# Altium PCB AS5047.PcbDoc
Units mm, origin at the board's own origin, x right, y up, seen from the top; angles counter-clockwise.
Board outline 28 x 28 mm, 2 copper layers (Top Layer, Bottom Layer); 6 components, 10 nets, 35 pads, 14 vias.
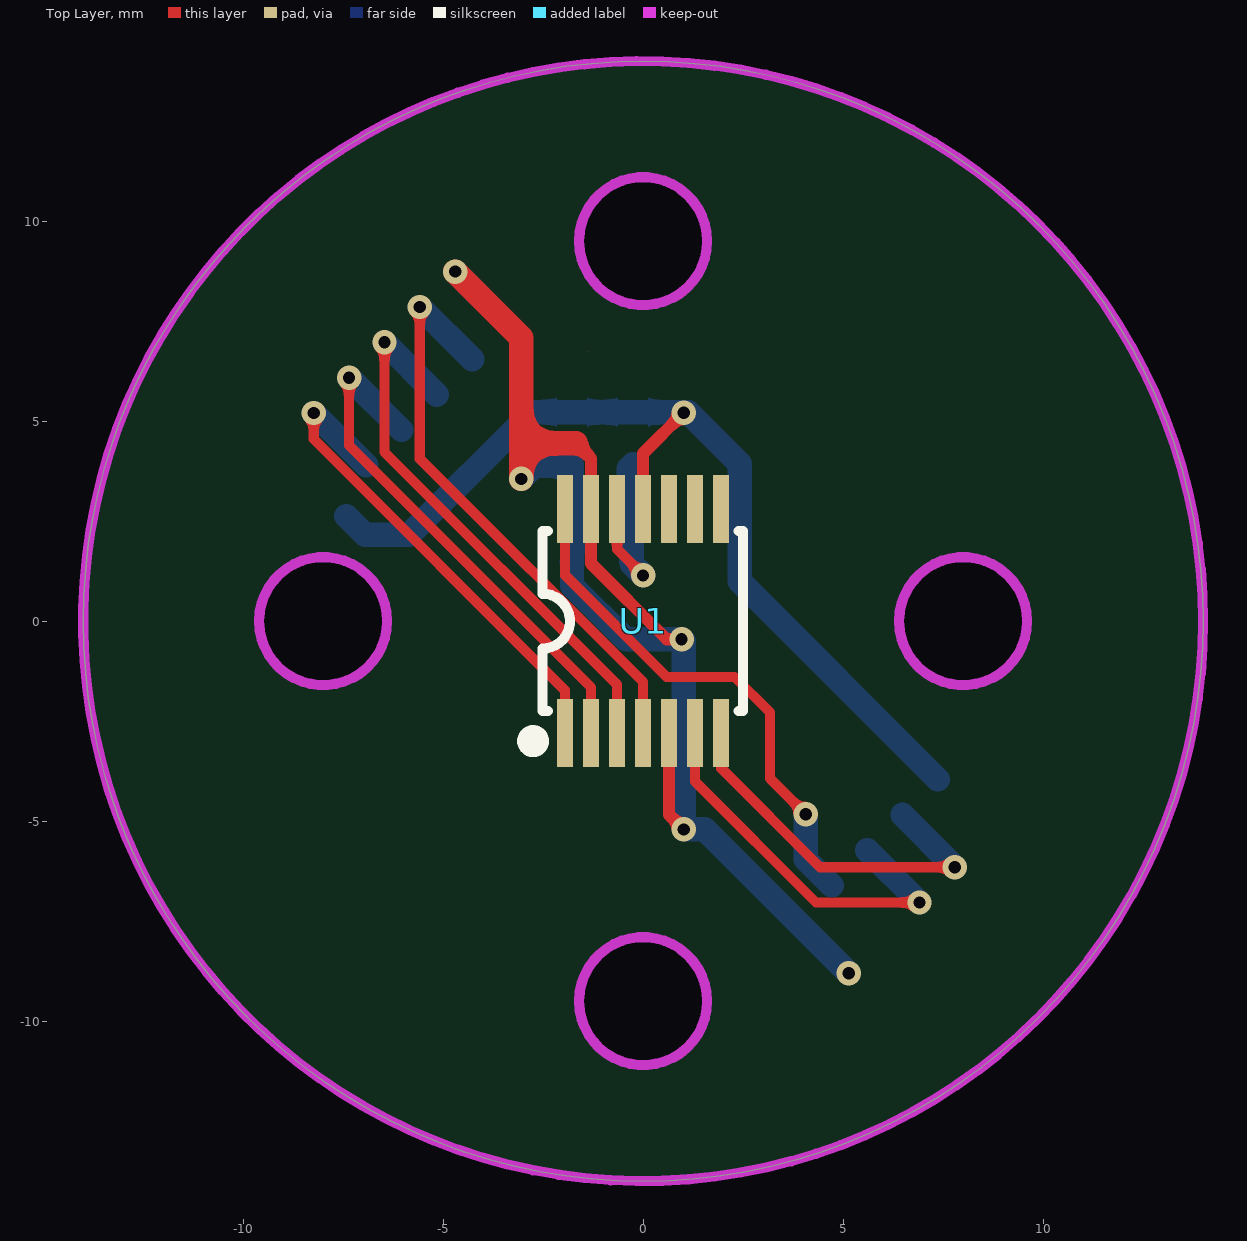
[diagram p0: Top Layer view]
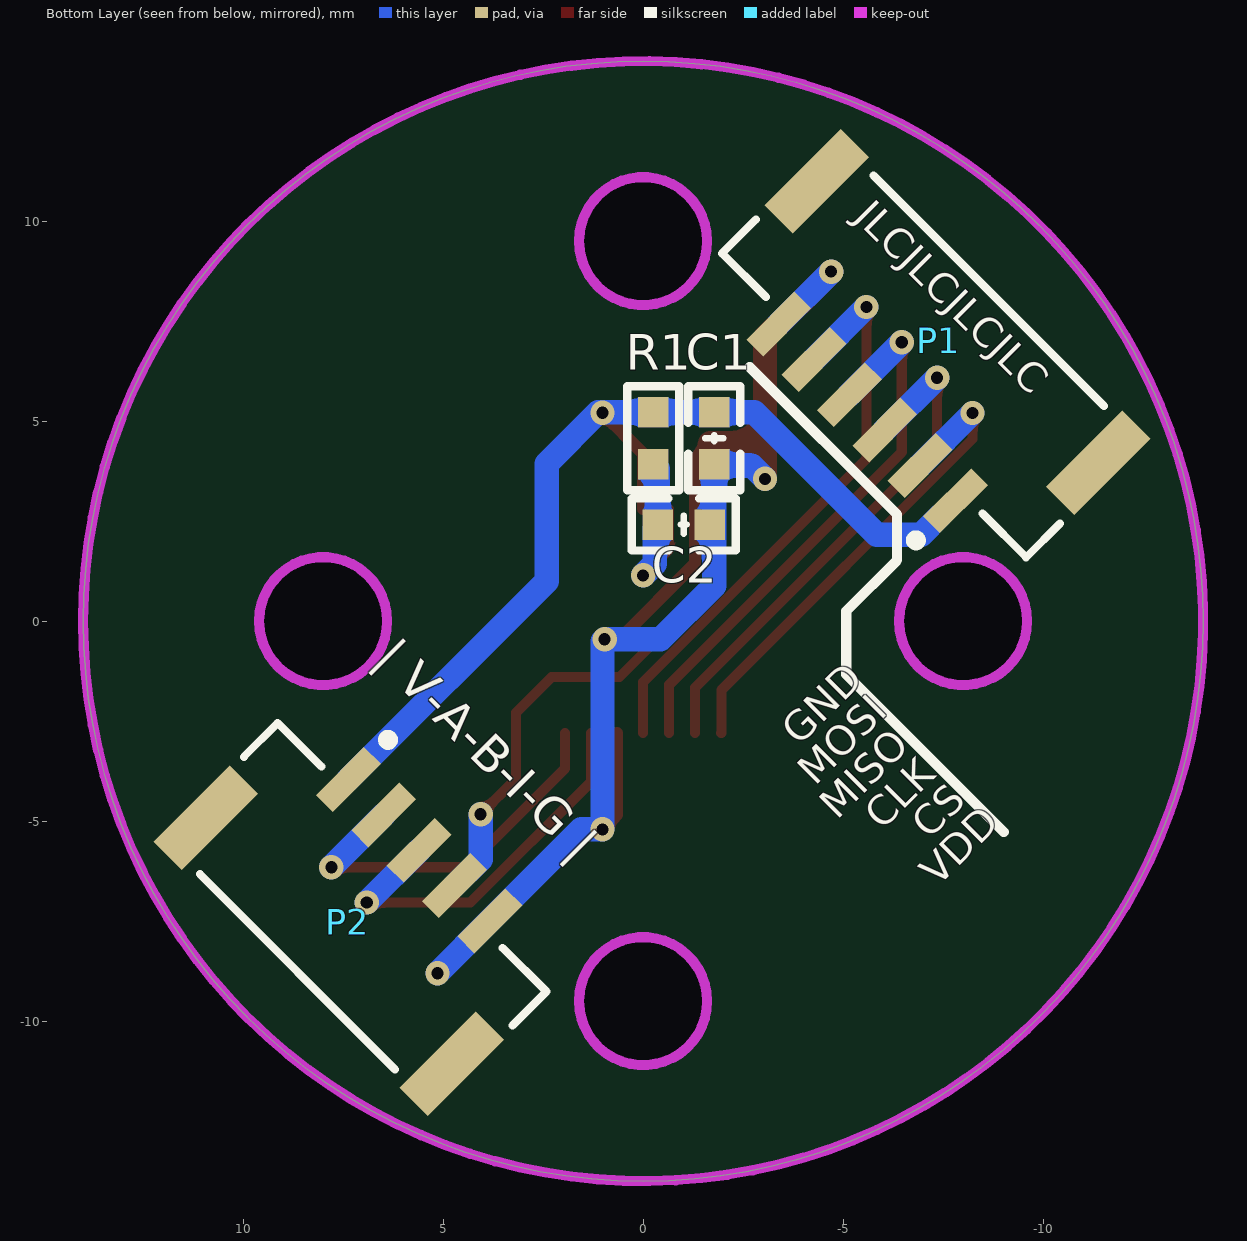
[diagram p1: Bottom Layer view, seen from below]
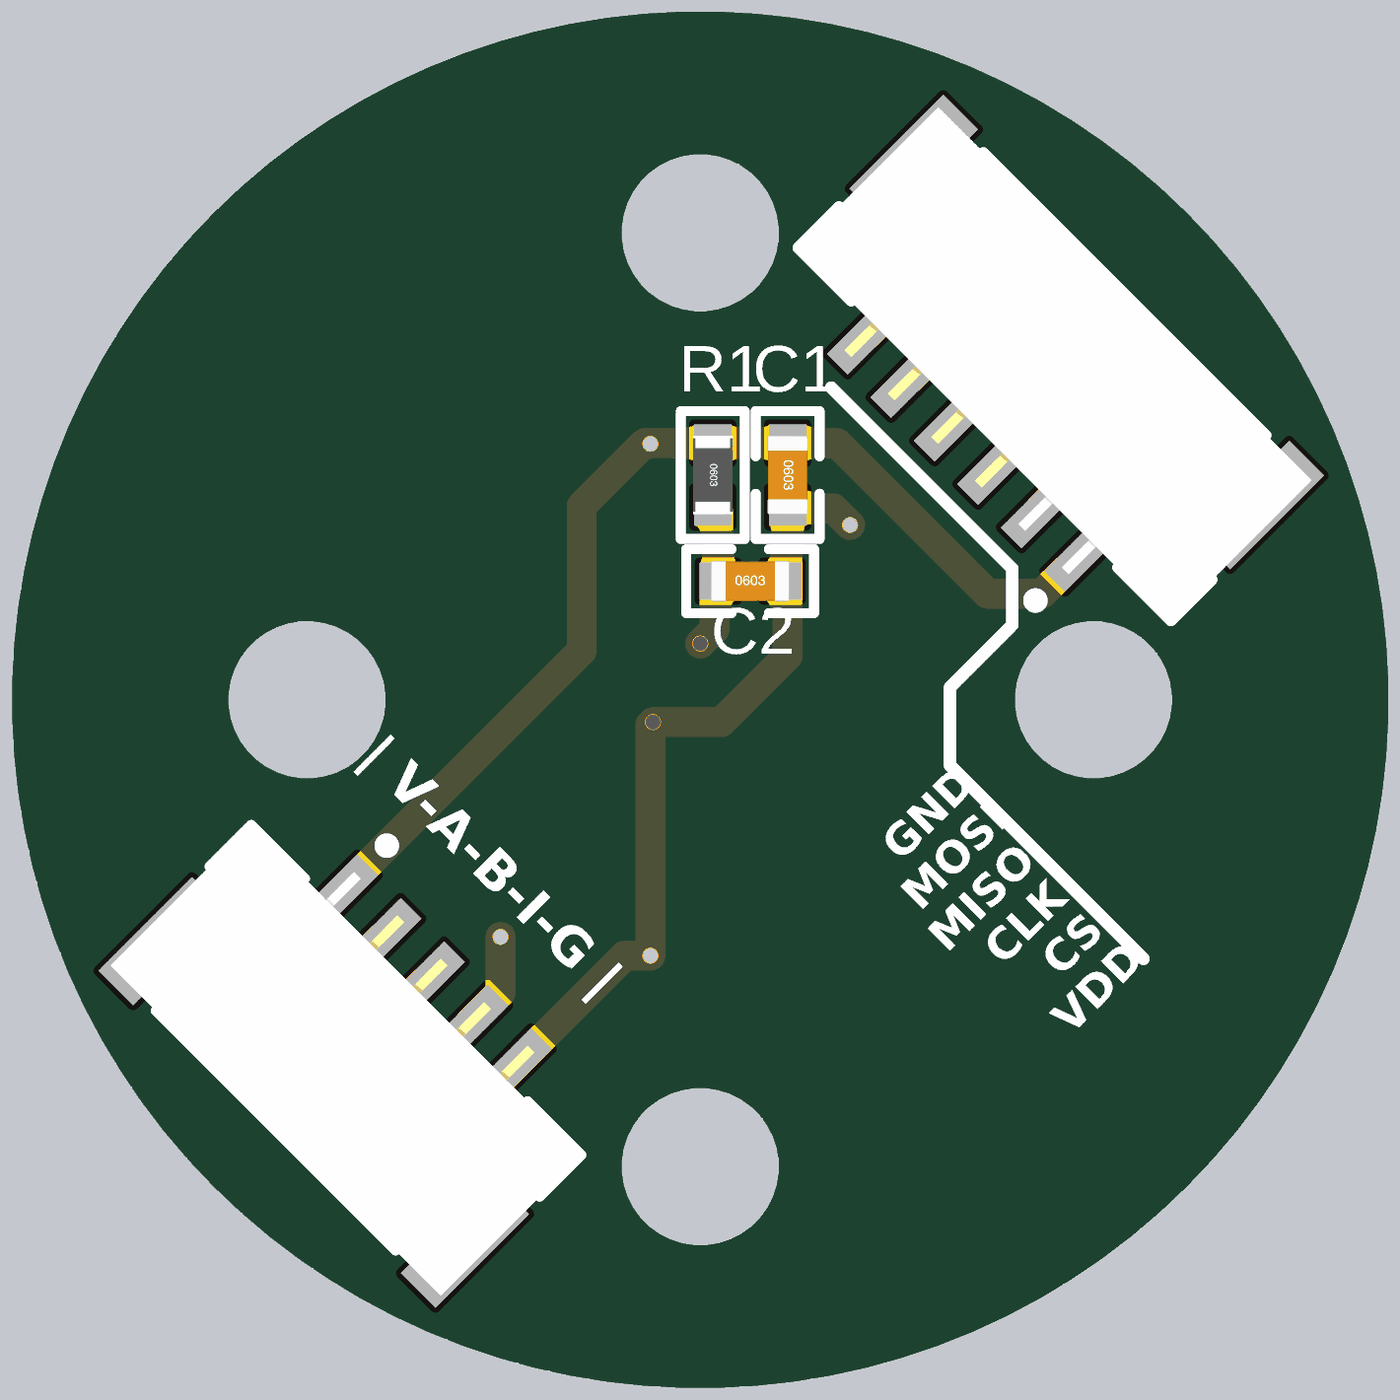
[diagram p2: 3D render of the assembled board from below, using the file's embedded part models]

## Layer stack, top to bottom
Top Solder: solder mask 0.0102, Solder Resist, Dk 3.5
Top Layer: signal copper 0.0356
Dielectric 1: dielectric 0.32, FR-4, Dk 4.8
Bottom Layer: signal copper 0.0356
Bottom Solder: solder mask 0.0102, Solder Resist, Dk 3.5

## Board outline
-14,0 ccw(c0,0) 0,-14 ccw(c0,0) 14,0 ccw(c0,0) 0,14 ccw(c0,0)
cut-out: -1.6,9.5 ccw(c0,9.5) 0,7.9 ccw(c0,9.5) 1.6,9.5 ccw(c0,9.5) 0,11.1 ccw(c0,9.5)
cut-out: 6.4,0 ccw(c8,0) 8,-1.6 ccw(c8,0) 9.6,0 ccw(c8,0) 8,1.6 ccw(c8,0)
cut-out: -1.6,-9.5 ccw(c0,-9.5) 0,-11.1 ccw(c0,-9.5) 1.6,-9.5 ccw(c0,-9.5) 0,-7.9 ccw(c0,-9.5)
cut-out: -9.6,0 ccw(c-8,0) -8,-1.6 ccw(c-8,0) -6.4,0 ccw(c-8,0) -8,1.6 ccw(c-8,0)
cut-out: -1.397,6.731

## Design rules (kind name [scope] priority, off if disabled: settings)
Clearance [All] p1: gap=0.254 ignorepadtopadclearanceinfootprint=TRUE except(0: Arc-Hole Track-Hole SMDPad-Hole THPad-Hole Via-Hole Fill-Hole Poly-Hole Region-Hole Text-Hole)
PolygonConnect [All] p1: connectstyle=Relief reliefconductorwidth=0.254 reliefentries=4 polygonreliefangle="90 Angle" airgapwidth=0.254
RoutingVias [All] p1: holewidth=0.711 width=1.27 viastyle="Through Hole" minholewidth=0.711 minwidth=1.27 maxholewidth=0.711 maxwidth=1.27
SolderMaskExpansion [All] p1: expansion=0.102 istentingtop=FALSE
Width [All] p1: maxlimit=2.54 minlimit=0.254 preferedwidth=0.254
30 further rules are at their usual default settings.

## Components (designator, comment, footprint, x,y, rotation, side; value= is the part's Value field where it differs from the comment)
C1 "0.1uF" "C 0603_L" -1.778,4.572 r270 bottom locked
C2 "1uF" "C 0603_L" -1.016,2.413 r180 bottom locked
P1 "SM06B-GHS-TB(LF)(SN)" JST-SM06B-GHS-TB_V -6.731,6.35 r45 bottom locked
P2 "SM05B-GHS-TB(LF)(SN)" JST-SM05B-GHS-TB_V 6.731,-6.858 r225 bottom locked
R1 "0R" "R 0603_L" -0.254,4.572 r270 bottom locked
U1 "AS5047U-HTST" TSSOP-14_L5.0-W4.4-P0.65-LS6.4-BL 0,0 r0 top locked

## Footprints (in the part's own frame and the unit in brackets; to place one, negate y for a bottom-side part, rotate by r counter-clockwise, add the part's x,y. Pads: shape width x height; smd on the part's side, far side on the other; paste and mask are expansions set on the pad)
"C 0603_L" [mil] "无极性贴片电容                                       淘宝ID:黄晶宝石"
  rect 30x30 smd: 1(-25.59,0) 2(25.59,0)
  silkscreen extent -51,-26 51,26, body extent -31,-16 31,16, height 32
JST-SM05B-GHS-TB_V [mm] "SMD, 5-Leads, Body 9.50x4.05mm, Pitch 1.25mm"
  rect 0.6x1.7 smd: 1(-2.5,1.6) 2(-1.25,1.6) 3(0,1.6) 4(1.25,1.6) 5(2.5,1.6)
  rect 1x2.7 smd: MP1(-4.35,-1.6) MP2(4.35,-1.6)
  silkscreen extent -4.75,-2.7 4.75,3.12, body extent -4.75,-2.7 4.75,2.15, height 4.35
JST-SM06B-GHS-TB_V [mm] "SMD, 6-Leads, Body 10.75x4.05mm, Pitch 1.25mm"
  rect 0.6x1.7 smd: 1(-3.125,1.6) 2(-1.875,1.6) 3(-0.625,1.6) 4(0.625,1.6) 5(1.875,1.6) 6(3.125,1.6)
  rect 1x2.7 smd: MP1(-4.975,-1.6) MP2(4.975,-1.6)
  silkscreen extent -5.38,-2.7 5.38,3.12, body extent -5.37,-2.7 5.37,2.15, height 4.35
"R 0603_L" [mil] "1/10W贴片电阻                 淘宝ID:黄晶宝石"
  rect 30x30 smd: 1(-25.59,0) 2(25.59,0)
  silkscreen extent -51,-26 51,26, body extent -31,-16 31,16, height 16
TSSOP-14_L5.0-W4.4-P0.65-LS6.4-BL [mm]
  rect 0.4x1.7 smd: 1(-1.95,-2.8) 2(-1.3,-2.8) 3(-0.65,-2.8) 4(0,-2.8) 5(0.65,-2.8) 6(1.3,-2.8) 7(1.95,-2.8) 8(1.95,2.8) 9(1.3,2.8) 10(0.65,2.8) 11(0,2.8) 12(-0.65,2.8) 13(-1.3,2.8) 14(-1.95,2.8)
  silkscreen extent -2.95,-3.2 2.5,2.25, body extent -2.5,-3.2 2.5,3.2, height 1.03

## Part data
C1 C2: library part C, "贴片电容"
P1: "GH Disconnectable Crimp Style Connector, Pitch 1.25 mm, 1 x 6 Position, Height 4.25 mm, -25 to 85 degC, RoHS, Tape and Reel", Manufacturer=JST, Package Description="GH Disconnectable Crimp Style Connector, Pitch 1.25 mm, 1 x 6 Position, Height 4.25 mm", Package Reference=SM06B-GHS-TB, Datasheet URL=http://www.jst-mfg.com/product/pdf/eng/eGH.pdf, Datasheet Version=05/2016, Manufacturer URL=http://www.jst.com/home2.html, Mounting Technology=SurfaceMount, No of Positions=6, Pitch=1.25mm, Style/Orientation=RightAngleHeader/Plug, Termination=Crimp, Type=WiretoBoard
P2: "GH Disconnectable Crimp Style Connector, Pitch 1.25 mm, 1 x 5 Position, Height 4.25 mm, -25 to 85 degC, RoHS, Tape and Reel", Manufacturer=JST, Package Description="GH Disconnectable Crimp Style Connector, Pitch 1.25 mm, 1 x 5 Position, Height 4.25 mm", Package Reference=SM05B-GHS-TB, Datasheet URL=http://www.jst-mfg.com/product/pdf/eng/eGH.pdf, Datasheet Version=05/2016, Manufacturer URL=http://www.jst.com/home2.html, Mounting Technology=SurfaceMount, No of Positions=5, Pitch=1.25mm, Style/Orientation=RightAngleHeader/Plug, Termination=Crimp, Type=WiretoBoard
R1: library part R, "贴片电阻"
U1: BOM_Manufacturer=美国AMS, BOM_Manufacturer Part=AS5047U-HTST, BOM_Supplier=LCSC, BOM_Supplier Part=C2153660, Contributor=LCSC, spicePre=U, spiceSymbolName=AS5047U-HTST

## Via types
v1: diameter 0.61, hole 0.305, Top Layer to Bottom Layer, tented both sides, 14 vias

## Nets (pads, with @x,y where several pads share a name; then routed paths per layer and width w, separated by ;. In a path a pad name is that pad's centre, name@x,y a point inside that pad or via, vN(x,y) a via of type N, cw(c..) or ccw(c..) an arc to the next point about the centre after c; other vN are vias at no path point)
CLK: P1.3 U1.2 | length 13.2
  Top Layer w0.254: v1(-7.351,6.086) -7.351,4.39 -1.3,-1.661 U1.2
  Bottom Layer w0.61: v1(-7.351,6.086) P1.3
CS: P1.2 U1.1 | length 12.5
  Top Layer w0.254: v1(-8.235,5.202) -8.235,4.552 -1.957,-1.726 -1.957,-2.793 U1.1
  Bottom Layer w0.61: v1(-8.235,5.202) P1.2
ENC_A: P2.2 U1.7 | length 9.6
  Top Layer w0.254: U1.7 1.95,-3.682 4.42,-6.152 v1(7.793,-6.152)
  Bottom Layer w0.61: P2.2 v1(7.793,-6.152)
ENC_B: P2.3 U1.6 | length 9.9
  Top Layer w0.254: U1.6 1.3,-4.013 4.323,-7.036 v1(6.909,-7.036)
  Bottom Layer w0.61: P2.3 v1(6.909,-7.036)
ENC_I: P2.4 U1.14 | length 13.2
  Top Layer w0.254: U1.14 -1.95,1.144 0.591,-1.397 2.286,-1.397 3.175,-2.286 3.175,-3.937 v1(4.064,-4.826)
  Bottom Layer w0.61: v1(4.064,-4.826) 4.064,-5.959 P2.4
GND: C1.2 C2.2 P1.6 P2.5 U1.5 U1.13 | length 36.1
  Top Layer w0.305: -1.679,4.445 -1.3,4.066 U1.13 -1.3,1.437 0.592,-0.455 v1(0.963,-0.455) ; U1.5 0.65,-4.841 v1(1.016,-5.207)
  Top Layer w0.61: v1(-4.699,8.737) -3.048,7.086 -3.048,4.445 ; v1(-3.048,3.556) -3.048,4.445 ; -1.679,4.445 -3.048,4.445
  Bottom Layer w0.254: C2.2@-1.742,2.489 C2.2
  Bottom Layer w0.61: v1(-4.699,8.737) P1.6 ; v1(-3.048,3.556) -2.714,3.89 -1.81,3.89 C1.2 -1.778,0.889 -0.434,-0.455 v1(0.963,-0.455) ; v1@0.956,-0.461 v1(0.963,-0.455) ; v1(5.141,-8.803) P2.5 1.544,-5.207 v1(1.016,-5.207) 1.016,-0.508 v1(0.963,-0.455)
MISO: P1.4 U1.3 | length 14
  Top Layer w0.254: v1(-6.467,6.97) -6.467,4.224 -0.65,-1.592 U1.3
  Bottom Layer w0.61: v1(-6.467,6.97) P1.4
MOSI: P1.5 U1.4 | length 14.8
  Top Layer w0.254: v1(-5.583,7.854) -5.583,4.059 0,-1.524 U1.4
  Bottom Layer w0.61: v1(-5.583,7.854) P1.5
VDD: C1.1 P1.1 P2.1 R1.1 U1.11 | length 24.6
  Top Layer w0.305: U1.11 0,4.191 v1(1.016,5.207)
  Bottom Layer w0.61: P1.1@-7.42,2.627 -6.953,2.159 -5.842,2.159 -2.779,5.222 C1.1 R1.1 1.128,5.222 2.413,3.937 2.413,0.996 P2.1
VDD3V3: C2.1 R1.2 U1.12 | length 5.1
  Top Layer w0.254: U1.12 -0.65,1.793 v1(0,1.143)
  Bottom Layer w0.254: C2.1 C2.1@-0.254,2.525
  Bottom Layer w0.61: R1.2 -0.366,3.81 C2.1 -0.29,2.337 -0.29,1.433 v1(0,1.143)
pads on no net: P1.MP1 P1.MP2 P2.MP1 P2.MP2 U1.8 U1.9 U1.10

## Keep-outs
Keep-Out Layer:
  circle w0.254: c0,0 r14
  circle w0.254: c0,-9.5 r1.6
  circle w0.254: c0,9.5 r1.6
  circle w0.254: c8,0 r1.6
  circle w0.254: c-8,0 r1.6

## Silkscreen, mask and mechanical layers (free items; w line width, h text height)
Bottom Overlay:
  lines w0.254: -9.017,-5.271 -5.08,-1.333 -5.08,0.064 -5.08,0.254 -6.35,1.524 -6.35,2.667 -2.667,6.35
  text "JLCJLCJLCJLC" at -5.071,9.895 h1.27 r45
  text "| V-A-B-I-G |" at 6.972,-1.191 h1.52 r45
  text "GND" at -4.076,-3.311 h1.27 r315
  text "MOSI" at -4.474,-4.311 h1.27 r315
  text "MISO" at -5.023,-5.162 h1.27 r315
  text "CLK" at -6.158,-5.426 h1.27 r315
  text "CS" at -7.327,-5.655 h1.27 r315
  text "VDD" at -7.543,-6.839 h1.27 r315
Mechanical 1:
  circle w0.254: c0,-9.5 r1.6
  circle w0.254: c8,0 r1.6
  circle w0.254: c-8,0 r1.6
  circle w0.254: c0,9.5 r1.6
  lines w0.305: -14,0 cw(c0,0) 0,14 cw(c0,0) 14,0 cw(c0,0) 0,-14 cw(c0,0) -14,0